# Altium PCB choko_keyboard_right.PcbDoc (part 1 of 2) (continued)
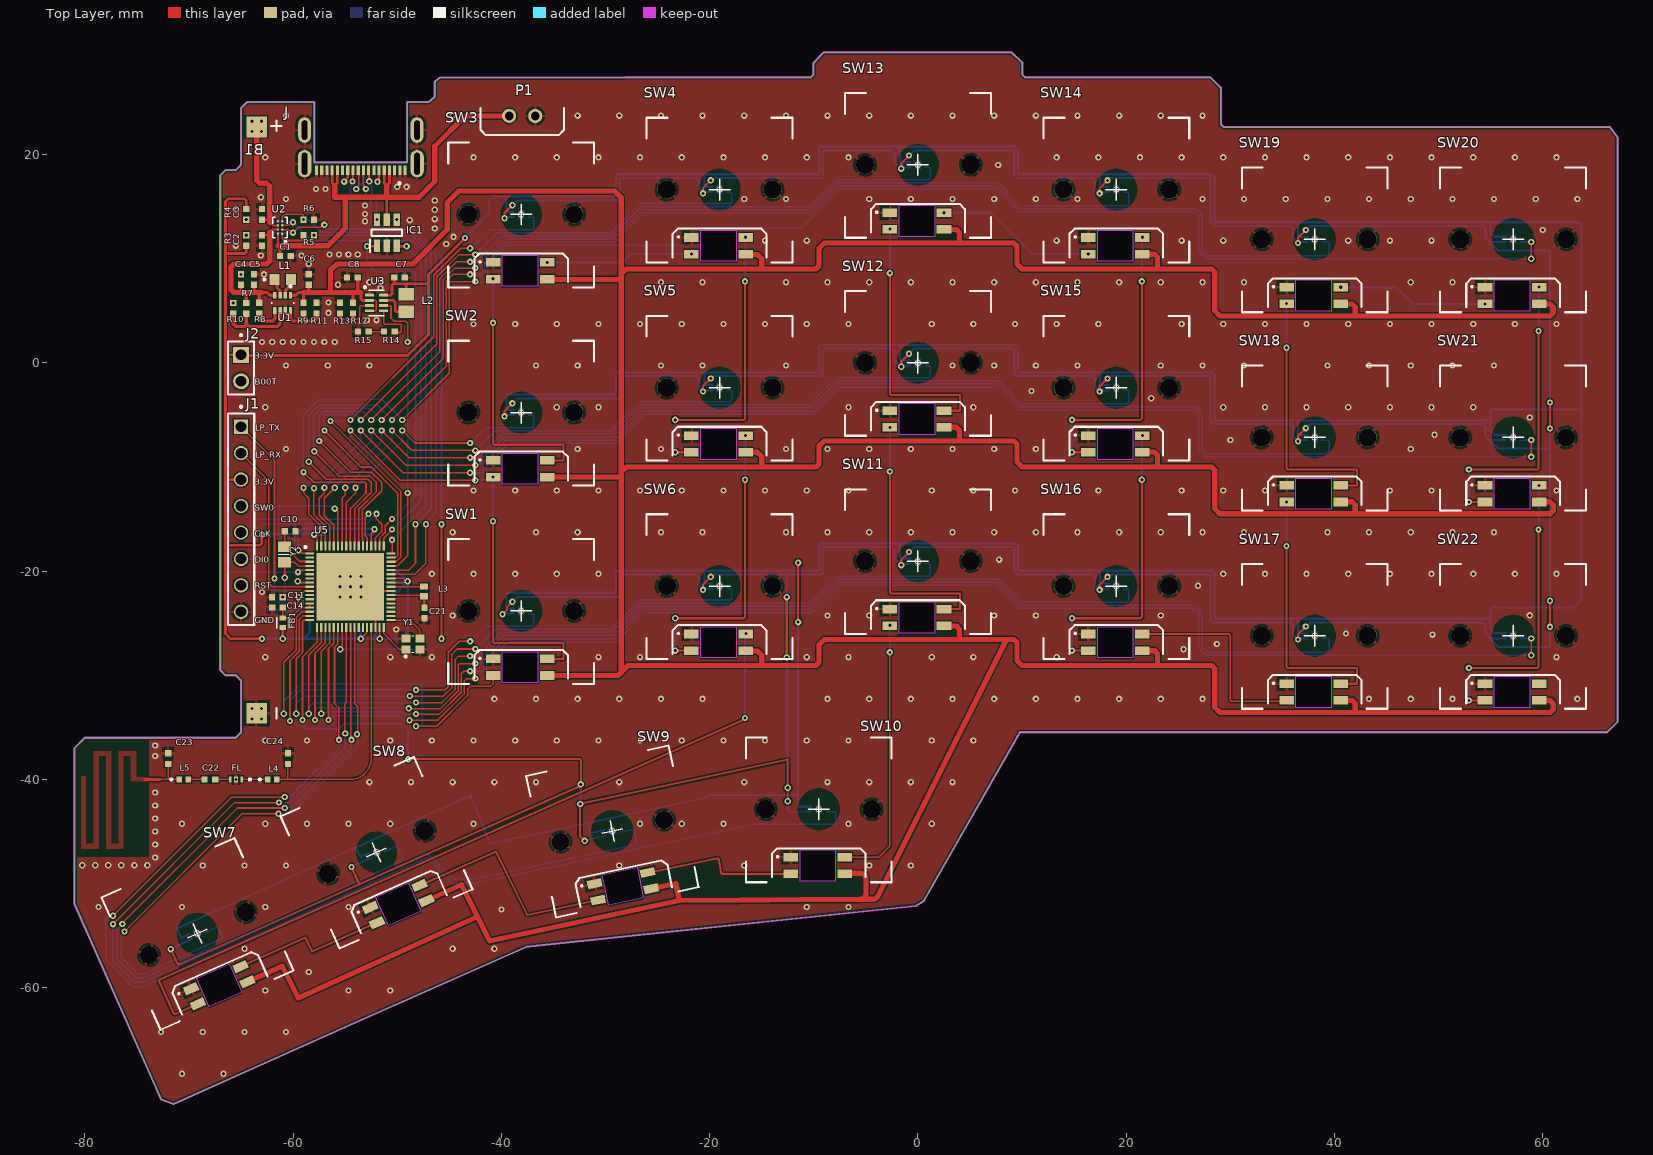
[diagram p0: Top Layer view]
## Part data
B1: "li-ion 14500 battery holder"
C1 C3: library part Cap_1uF_0402, Package="0402 Murata", Check_prices=https://www.snapeda.com/parts/GRM022R60J222KE19L/Murata/view-part/?ref=eda, MF=Murata, MP=GRM022R60J222KE19L, SnapEDA_Link=https://www.snapeda.com/parts/GRM022R60J222KE19L/Murata/view-part/?ref=snap
C2 C7: library part Cap_10uF_0402, Package="0402 Murata", Check_prices=https://www.snapeda.com/parts/GRM022R60J222KE19L/Murata/view-part/?ref=eda, MF=Murata, MP=GRM022R60J222KE19L, SnapEDA_Link=https://www.snapeda.com/parts/GRM022R60J222KE19L/Murata/view-part/?ref=snap
C4 C5 C6: library part Cap_22uF_0402, Package="0402 Murata", BOM_Group="Buck/Boost Converter to 5V", Check_prices=https://www.snapeda.com/parts/GRM022R60J222KE19L/Murata/view-part/?ref=eda, MF=Murata, MP=GRM022R60J222KE19L, SnapEDA_Link=https://www.snapeda.com/parts/GRM022R60J222KE19L/Murata/view-part/?ref=snap
C8 C19 C21: library part Cap_4.7uF_0402, Package="0402 Murata", Check_prices=https://www.snapeda.com/parts/GRM022R60J222KE19L/Murata/view-part/?ref=eda, MF=Murata, MP=GRM022R60J222KE19L, SnapEDA_Link=https://www.snapeda.com/parts/GRM022R60J222KE19L/Murata/view-part/?ref=snap
C9 C12 C13 C14 C15 C16 C17 C20: library part Cap_100nF_0402, Package="0402 Murata", Check_prices=https://www.snapeda.com/parts/GRM022R60J222KE19L/Murata/view-part/?ref=eda, MF=Murata, MP=GRM022R60J222KE19L, SnapEDA_Link=https://www.snapeda.com/parts/GRM022R60J222KE19L/Murata/view-part/?ref=snap
C10 C11: library part Cap_10pF_0402, Package="0402 Murata", Check_prices=https://www.snapeda.com/parts/GRM022R60J222KE19L/Murata/view-part/?ref=eda, MF=Murata, MP=GRM022R60J222KE19L, SnapEDA_Link=https://www.snapeda.com/parts/GRM022R60J222KE19L/Murata/view-part/?ref=snap
C18: library part Cap_100pF_0402, Package="0402 Murata", Check_prices=https://www.snapeda.com/parts/GRM022R60J222KE19L/Murata/view-part/?ref=eda, MF=Murata, MP=GRM022R60J222KE19L, SnapEDA_Link=https://www.snapeda.com/parts/GRM022R60J222KE19L/Murata/view-part/?ref=snap
C22: library part Cap_10nF_0402, Package="0402 Murata", Check_prices=https://www.snapeda.com/parts/GRM022R60J222KE19L/Murata/view-part/?ref=eda, MF=Murata, MP=GRM022R60J222KE19L, SnapEDA_Link=https://www.snapeda.com/parts/GRM022R60J222KE19L/Murata/view-part/?ref=snap
C23: library part Cap_1.2pF_0402, Package="0402 Murata", Check_prices=https://www.snapeda.com/parts/GRM022R60J222KE19L/Murata/view-part/?ref=eda, MF=Murata, MP=GRM022R60J222KE19L, SnapEDA_Link=https://www.snapeda.com/parts/GRM022R60J222KE19L/Murata/view-part/?ref=snap
C24: library part Cap_0.8pF_0402, Package="0402 Murata", Check_prices=https://www.snapeda.com/parts/GRM022R60J222KE19L/Murata/view-part/?ref=eda, MF=Murata, MP=GRM022R60J222KE19L, SnapEDA_Link=https://www.snapeda.com/parts/GRM022R60J222KE19L/Murata/view-part/?ref=snap
D1: library part BAT54KFILM, "BAT54KFILM, Schottky Diode,  0.3A max, 40V 5ns, 2-Pin, SOD-523", Manufacturer_Name=STMicroelectronics, Mouser Part Number=511-BAT54KFILM, Datasheet Link=http://www.st.com/web/en/resource/technical/document/datasheet/CD00001322.pdf, Geometry.Height=0.7mm, Manufacturer_Part_Number=BAT54KFILM, Mouser Price/Stock=https://www.mouser.co.uk/ProductDetail/STMicroelectronics/BAT54KFILM?qs=jZi1jxfVU95Y9ce6l3OT%252BA%3D%3D
FB1: library part MMZ1005S121CTD25, "Ferrite Bead", Package=None, Check_prices=https://www.snapeda.com/parts/FCM1608KF-601T05/Tai+Tech/view-part/?ref=eda, MF="Tai Tech", MP=FCM1608KF-601T05, SnapEDA_Link=https://www.snapeda.com/parts/FCM1608KF-601T05/Tai+Tech/view-part/?ref=snap
FL: "RF Filter Band Pass 2450MHz 2400MHz to 2500MHz 2.8dB 50Ohm SMD 6Pin 0603", Package="0603 Murata Electronics", Availability=Unavailable, MF=Murata, MP=LFB182G45CGFD436, Price=None, SnapEDA_Link=https://www.snapeda.com/parts/LFB182G45CGFD436/Murata/view-part/2721840/?ref=snap
H1 H2 H3 H4 H5 H6 H7 H8 H9 H10 H11 H12 H13 H14 H15 H16 H17 H18 H19 H20 H21 H22: "Low-power linear Hall-effect sensor with enable pin in ultrasmall X2SON package", Package="XFDFN-4 Texas Instruments", Check_prices=https://www.snapeda.com/parts/TMAG5253BA3IQDMRR/Texas+Instruments/view-part/?ref=eda, MF="Texas Instruments", MP=TMAG5253BA3IQDMRR, SnapEDA_Link=https://www.snapeda.com/parts/TMAG5253BA3IQDMRR/Texas+Instruments/view-part/?ref=snap
IC1: "Integrated Circuit", Manufacturer_Name=STMicroelectronics, Mouser Part Number=511-USBLC6-2SC6, Arrow Part Number=USBLC6-2SC6, Arrow Price/Stock=https://www.arrow.com/en/products/usblc6-2sc6/stmicroelectronics?utm_currency=USD&region=europe, Datasheet Link=http://www.st.com/st-web-ui/static/active/en/resource/technical/document/datasheet/CD00050750.pdf, Height=1.45mm, Manufacturer_Part_Number=USBLC6-2SC6, Mouser Price/Stock=https://www.mouser.co.uk/ProductDetail/STMicroelectronics/USBLC6-2SC6?qs=po45yt2pPpu%2FhNIlwQdTlg%3D%3D
J: "USB-C _USB TYPE-C_ USB 3.1 _USB 3.1 Gen 2, Superspeed+_ Receptacle Connector 24 _16+8 Dummy_ Position Board Edge, Cutout; Surface Mount; Through Hole, Right Angle", Package=None, Availability=Unavailable, MF="Hirose Electric Co Ltd", MP=CX90M-16P, Price=None, SnapEDA_Link=https://www.snapeda.com/parts/CX90M-16P/Hirose%20Electric%20Co%20Ltd/view-part/3218310/?ref=snap
J1: "Connector Header Through Hole 8 position 0.100 (2.54mm)", Package=None, Check_prices=https://www.snapeda.com/parts/TSW-108-23-L-S/Samtec/view-part/?ref=eda, MF=Samtec, MP=TSW-108-23-L-S, SnapEDA_Link=https://www.snapeda.com/parts/TSW-108-23-L-S/Samtec/view-part/?ref=snap
J2: "HEADER, 2 CONTACTS, 1 ROW, THROUGH HOLE, 2.54 MM; Connector Systems:Board-to-Board; Pitch Spacing:2.54mm; No. of Rows:1Rows; No. of Contacts:2Contacts; Contact Termination Type:Through Hole; Product Range:HTSW Series; Gender:Header RoHS Compliant: Yes", Package=None, Availability="In Stock", Check_prices=https://www.snapeda.com/parts/HTSW10207TMS/Samtec/view-part/?ref=eda, MF=Samtec, MP=HTSW10207TMS, Price=None, Purchase-URL=https://pricing.snapeda.com/search/part/HTSW10207TMS/?ref=eda, SnapEDA_Link=https://www.snapeda.com/parts/HTSW10207TMS/Samtec/view-part/?ref=snap
L1: library part DFE18SAN1R0MG0L, "DFE18SAN1R0MG0L", Package=None, Availability=Unavailable, BOM_Group="Buck/Boost Converter to 5V", MP=DFE18SAN1R0MG0L, Price=None
L2: library part MLP2012S2R2MT0S1, "2.2 ÂµH Shielded Multilayer Inductor 800 mA 299mOhm Max 0805 (2012 Metric)", Package="2012 TDK", Check_prices=https://www.snapeda.com/parts/MLP2012S2R2MT0S1/TDK/view-part/?ref=eda, MF=TDK, MP=MLP2012S2R2MT0S1, SnapEDA_Link=https://www.snapeda.com/parts/MLP2012S2R2MT0S1/TDK/view-part/?ref=snap
L3: library part LQW15DN100M00D, "Inductor with Inductance: 10uH Tol. +/-20%, Package: 0402 (1005)", Package="1106 Murata", Availability=Good, Check_prices=https://www.snapeda.com/parts/LQW15DN100M00D/Murata%20Electronics%20North%20America/view-part/3223358/?ref=eda, MF="Murata Electronics North America", MP=LQW15DN100M00D, Price=None, Purchase-URL=https://pricing.snapeda.com/search/part/LQW15DN100M00D/?ref=eda, SnapEDA_Link=https://www.snapeda.com/parts/LQW15DN100M00D/Murata%20Electronics%20North%20America/view-part/3223358/?ref=snap
L4 L5: library part LQG15HS3N6S02D, "Inductor with Inductance: 3.6nH Tol. +/-0.3nH, Package: 0402 _1005_", Package="1005 Murata", Availability=Unavailable, MF=Murata, MP=LQG15HS3N6S02D, Price=None, SnapEDA_Link=https://www.snapeda.com/parts/LQG15HS3N6S02D/Murata%20Electronics%20North%20America/view-part/1501786/?ref=snap
R1 R2 R3 R4: library part Res_5.1kR_0402, Package=0402, Resistans=1kR
R5 R6: library part Res_10kR_0402, Package=0402, Resistans=1kR
R7 R8 R10 R12 R13: library part Res_100kR_0402_1, Package=0402, Resistans=1kR, BOM_Group="Buck/Boost Converter to 5V"
R9: library part Res_806kR_0402_1, Package=0402, Resistans=1kR, BOM_Group="Buck/Boost Converter to 5V"
R11: library part Res_91kR_0402, Package=0402, Resistans=1kR, BOM_Group="Buck/Boost Converter to 5V"
R14: library part Res_240kR_0402, Package=0402, Resistans=1kR
R15: library part Res_27kR_0402, Package=0402, Resistans=1kR
R16 R17: library part Res_1kR_0402, Package=0402, Resistans=1kR
SW1 SW2 SW3 SW4 SW5 SW6 SW7 SW8 SW9 SW10 SW11 SW12 SW13 SW14 SW15 SW16 SW17 SW18 SW19 SW20 SW21 SW22: "Gateron Magnetic Jade Switch"
U1: "1.5-A output current, high-power-density buck-boost converter", Package="SOT-583 Texas Instruments", BOM_Group="Buck/Boost Converter to 5V", Check_prices=https://www.snapeda.com/parts/TPS631000DRLR/Texas+Instruments/view-part/?ref=eda, MF="Texas Instruments", MP=TPS631000DRLR, SnapEDA_Link=https://www.snapeda.com/parts/TPS631000DRLR/Texas+Instruments/view-part/?ref=snap
U2: "Battery Managment IC"
U3: "None <a href=\"https://snapeda.com/parts/TPS62840DLCR/Texas%20Instruments/view-part/?ref=eda\">Check prices</a>", Package=None, Availability=Unavailable, BOM_Group="Buck Converter to 3.3V", MP=TPS62840DLCR, Price=None
Y1: library part NX2016SA-32MHZ, "Crystal or Oscillator", Manufacturer_Name=NDK, Manufacturer_Part_Number=NX2016SA-26MHZ-EXS00A-CS06025, Mouser Part Number=344-NX2016SA26S06025, Datasheet Link=https://datasheet.datasheetarchive.com/originals/distributors/Datasheets_SAMA/8da4d094c01ffba0c34ffc4b8a2d69e9.pdf, Mouser Price/Stock=https://www.mouser.co.uk/ProductDetail/NDK/NX2016SA-26MHZ-EXS00A-CS06025?qs=w%2Fv1CP2dgqrdkfe8%2Fku9TQ%3D%3D
Y2: library part NX2012SA-32.768K, "Crystal or Oscillator", Manufacturer_Name=NDK, Manufacturer_Part_Number=NX2012SA-32.768K-STD-MUB-1, Mouser Part Number=344-NX2012SA32768K1, Datasheet Link=https://www.mouser.de/datasheet/2/905/c_NX2012SA-STD-MUB-1_e-1317508.pdf, Height=0.6mm, Mouser Price/Stock=https://www.mouser.co.uk/ProductDetail/NDK/NX2012SA-32.768K-STD-MUB-1?qs=55YtniHzbhA%252B6%2Fl1MwFZaQ%3D%3D

## Via types
v1: diameter 0.6, hole 0.3, Top Layer to Bottom Layer, tented both sides, 615 vias

## Nets (pads, with @x,y where several pads share a name; then routed paths per layer and width w, separated by ;. In a path a pad name is that pad's centre, name@x,y a point inside that pad or via, vN(x,y) a via of type N, cw(c..) or ccw(c..) an arc to the next point about the centre after c; other vN are vias at no path point)
3.3V: C7.2 C12.2 C13.2 C15.2 C16.2 C17.2 C18.2 C19.2 C20.2 FB1.1 H1.1 H2.1 H3.1 H4.1 H5.1 H6.1 H7.1 H8.1 H9.1 H10.1 H11.1 H12.1 H13.1 H14.1 H15.1 H16.1 H17.1 H18.1 H19.1 H20.1 H21.1 H22.1 J1.03 J2.01 L2.2 R3.2 R4.2 R16.2 U3.8 U5.1 U5.30 U5.33 U5.44 U5.45 U5.55 U5.68 | length 677.2
  Top Layer w0.15: v1(-59.5,-18) -59.2,-18.3 U5.1@-58.4,-18.3 ; v1(-58,-16.5) -57.7,-16.8 U5.68@-57.7,-17.6 ; v1(-53.5,-26.5) -52.925,-25.925 -52.925,-25.425 U5.30@-52.9,-25.4 ; U5.55@-52.5,-17.6 -52.5,-16.385 v1@-52.215,-16.101 ; U5.33@-51.7,-25.4 -51.7,-26.476 v1(-51.676,-26.5) ; U5.44@-50.6,-21.1 -49.404,-21.1 -49.365,-21.061 -49.086,-21.061 v1@-49.013,-20.987 ; U5.45@-50.6,-20.7 -49.397,-20.7 -49.122,-20.975 v1(-49,-20.975)
  Top Layer w0.2: v1(-11.5,-24.9) v1(-11.5,-19.2)
  Top Layer w0.254: -66.378,-11.2 J1.03@-65,-11.2 ; J2.01@-65.1,0.7 -49,0.7 -47,2.7 -47,7.6 ; J2.01@-65,0.77 -66.5,0.77 ; R3.2@-64.5,11.238 -64.5,10.649 -64.649,10.5 -66.5,10.5 ; R4.2@-64.5,15 -64.5,15.601 -64.649,15.75 -66.25,15.75 -66.5,15.5 -66.5,10.5 ; v1(-63,-26.5) -66,-26.5 -66.5,-26 -66.5,-17.5 ; v1(-63,-16.5) -63,-17.351 -63.149,-17.5 -66.5,-17.5 ; v1(-61,-26.5) FB1.1@-61,-25.41 ; U3.8@-51.315,6.5 -50.649,6.5 -50.5,6.649 -50.5,7.451 -50.351,7.6 -50.3,7.6 ; C7.2@-50.3,8.2 -50.3,7.6 ; L2.2@-49.15,6.61 -49.15,7.451 -49.299,7.6 ; v1(-43.5,12) -47,8.5 -47,7.6 ; -66.5,-17.5 -66.5,0.77 ; -66.5,0.77 -66.5,10.5 ; -50.3,7.6 -49.299,7.6 ; -49.299,7.6 -47,7.6
  Bottom Layer w0.2: H4.1@-69.941,-54.856 -70.75,-55.25 -70.953,-54.793 -71.157,-54.336 -53.957,-46.536 ; H5.1@-52.741,-47.056 -53.55,-47.45 -53.753,-46.993 -53.957,-46.536 ; v1(-43.5,12) -41.2,14.3 -41.2,15.55 -40.75,16 -39.383,16 ; -41.027,-46.143 -42.975,-41.556 -53.957,-46.536 ; -41.019,-46.161 -31.668,-44.174 -20.276,-41.753 -20.236,-41.716 -20.057,-41.552 -20,-41.5 -11.617,-41.5 -11.5,-41.617 ; H3.1@-38.8,-23.576 -39.383,-23.576 -39.5,-23.459 -39.5,-22.192 -39.383,-22.075 -29.117,-22.075 -29,-21.958 -29,-20.08 -28.883,-19.963 -20.417,-19.963 ; H2.1@-38.8,-4.526 -39.383,-4.526 -39.5,-4.409 -39.5,-3.142 -39.383,-3.025 -29.117,-3.025 -29,-2.908 -29,-1.03 -28.883,-0.913 -20.5,-0.913 -20.417,-0.913 ; H1.1@-38.8,14.499 -39.383,14.499 -39.5,14.616 -39.5,15.883 -39.383,16 ; -31.664,-44.193 -31.564,-44.663 -31.46,-45.152 H6.1@-30.091,-44.861 ; H10.1@-19.75,-21.188 -20.383,-21.188 -20.5,-21.071 -20.5,-20.046 -20.417,-19.963 ; H9.1@-19.75,-2.138 -20.383,-2.138 -20.5,-2.021 -20.5,-0.996 -20.417,-0.913 ; H8.1@-19.75,16.887 -20.383,16.887 -20.5,17.004 -20.5,18.029 -20.417,18.112 ; v1(-11.5,-24.9) -11.5,-41.617 ; v1(-11.5,-19.2) -11.5,-19.963 ; H7.1@-10.225,-42.625 -11.346,-42.625 -11.5,-42.471 -11.5,-41.617 ; H13.1@-0.7,-18.813 -1.633,-18.813 -1.75,-18.696 -1.75,-17.325 ; H12.1@-0.7,0.237 -1.633,0.237 -1.75,0.354 -1.75,1.725 ; H11.1@-0.7,19.262 -1.633,19.262 -1.75,19.379 -1.75,20.75 ; H16.1@18.35,-21.188 17.617,-21.188 17.5,-21.071 17.5,-19.963 ; H15.1@18.35,-2.138 17.617,-2.138 17.5,-2.021 17.5,-0.913 ; H14.1@18.35,16.887 17.617,16.887 17.5,17.004 17.5,18.112 ; H19.1@37.4,-25.963 37.39,-25.973 36.617,-25.973 36.5,-25.856 36.5,-24.692 36.617,-24.575 ; H18.1@37.4,-6.913 37.39,-6.923 36.617,-6.923 36.5,-6.806 36.5,-5.642 36.617,-5.525 ; H17.1@37.4,12.112 37.39,12.102 36.617,12.102 36.5,12.219 36.5,13.383 36.617,13.5 ; 55,-24.575 54.958,-24.575 ; 55,-24.5 55,-23.617 55.117,-23.5 63,-23.5 63.7,-22.8 63.7,-4.5 ; 55,-5.5 55,-4.617 55.117,-4.5 63.7,-4.5 ; H22.1@56.45,-25.963 55.329,-25.963 55,-25.634 55,-24.617 54.958,-24.575 ; H21.1@56.45,-6.913 55.329,-6.913 55,-6.584 55,-5.525 36.617,-5.525 ; H20.1@56.45,12.112 55.329,12.112 55,12.441 55,13.383 54.883,13.5 ; -39.383,16 -29.117,16 -29,16.117 -29,17.995 -28.883,18.112 -20.5,18.112 -20.417,18.112 ; -20.417,-19.963 -11.5,-19.963 ; -20.417,-0.913 -9.617,-0.913 -9.5,-0.796 -9.5,1.608 -9.383,1.725 -1.75,1.725 ; -20.417,18.112 -9.617,18.112 -9.5,18.229 -9.5,20.633 -9.383,20.75 -1.75,20.75 ; -11.5,-19.963 -9.617,-19.963 -9.5,-19.846 -9.5,-17.442 -9.383,-17.325 -1.75,-17.325 ; -1.75,-17.325 9.383,-17.325 9.6,-17.542 9.6,-19.846 9.717,-19.963 17.5,-19.963 ; -1.75,1.725 9.383,1.725 9.6,1.508 9.6,-0.796 9.717,-0.913 17.5,-0.913 ; -1.75,20.75 9.383,20.75 9.6,20.533 9.6,18.229 9.717,18.112 17.5,18.112 ; 17.5,-19.963 28.271,-19.963 28.5,-20.192 28.5,-24.458 28.617,-24.575 36.617,-24.575 ; 17.5,-0.913 28.271,-0.913 28.5,-1.142 28.5,-5.408 28.617,-5.525 36.617,-5.525 ; 17.5,18.112 28.271,18.112 28.5,17.883 28.5,13.617 28.617,13.5 36.617,13.5 ; 36.617,-24.575 54.958,-24.575 ; 36.617,13.5 54.883,13.5 ; 54.883,13.5 63.583,13.5 63.7,13.383 63.7,-4.5
  Bottom Layer w0.254: J2.01@-65.1,0.8 J2.01@-65,0.7 ; v1(-63,-26.5) v1(-61,-26.5) -59,-26.5 ; -62.678,-16.423 -59.573,-16.423 -59.5,-16.496 -59.5,-17 ; C12.2@-59.988,-17 -59.5,-17 ; v1(-59.5,-18) -59.5,-17 ; R16.2@-58.4,-24.812 -58.4,-25.9 -59,-26.5 ; C17.2@-57.012,-16.5 v1(-58,-16.5) -58.066,-16.434 -58.311,-16.434 -58.318,-16.426 -59.499,-16.426 -59.499,-16.072 -59.351,-15.923 -52.243,-15.923 v1(-52.191,-15.975) ; C15.2@-53.5,-25.512 v1(-53.5,-26.5) ; C13.2@-53.238,-16.5 -52.418,-16.5 -52.257,-16.339 -52.257,-16.048 v1@-52.215,-16.007 ; C18.2@-52,-25.512 -52,-26.5 ; C20.2@-50.488,-22 -50.444,-21.956 -49.956,-21.956 v1@-49,-21 ; C19.2@-50.488,-21 v1@-49,-21 ; C16.2@-50.488,-20 -50.444,-20.044 -49.956,-20.044 -49.025,-20.975 v1(-49,-20.975) ; -59,-26.5 v1(-53.5,-26.5) ; v1(-53.5,-26.5) -52,-26.5 ; -52,-26.5 v1(-51.676,-26.5) -49.5,-26.5 -49,-26 v1@-49,-21
5V: C6.1 C8.1 R9.1 R12.1 SW1.3 SW2.3 SW3.3 SW4.3 SW5.3 SW6.3 SW7.3 SW8.3 SW9.3 SW10.3 SW11.3 SW12.3 SW13.3 SW14.3 SW15.3 SW16.3 SW17.3 SW18.3 SW19.3 SW20.3 SW21.3 SW22.3 U1.1 U3.2 U3.4 | length 557.9
  Top Layer w0.15: U3.2@-52.7,6 U3.2@-52.685,6 -52.088,6 -52,5.912 -52,5.1 -52.1,5 U3.4@-52.685,5
  Top Layer w0.3: U1.1@-60.25,6.485 -59.765,6.485 -59.5,6.75 -59,6.75 R9.1@-59,5.774 ; -58.5,6.75 C6.1@-58.5,7.488 ; R12.1@-54.25,5.762 -54.25,6.75 ; -53.8,6.8 C8.1@-53.8,8.2 ; -53.5,6.75 -53.5,6.176 -53.324,6 U3.2@-52.7,6
  Top Layer w0.5: SW7.3@-64.395,-59.447 -61.035,-57.924 -59.5,-61 -42.3,-53.2 ; -59,6.75 -58.5,6.75 -56.4,6.75 ; -53.5,6.75 -54.25,6.75 -56.4,6.75 ; SW8.3@-47.195,-51.647 -43.835,-50.124 -42.3,-53.2 ; SW1.3@-35.6,-30.025 -28.793,-30.025 -28.5,-29.732 ; SW2.3@-35.6,-10.951 -28.5,-10.951 ; SW3.3@-35.6,8.049 -35.551,8 -28.5,8 ; SW9.3@-25.62,-50.505 -23.258,-50.003 -22.911,-51.634 ; SW6.3@-16.55,-27.638 -16.521,-27.667 -15.408,-27.667 -15,-28.075 -15,-29.075 ; SW5.3@-16.55,-8.563 -16.521,-8.592 -15.408,-8.592 -15,-9 -15,-10 ; SW4.3@-16.55,10.437 -16.521,10.408 -15.408,10.408 -15,10 -15,9 ; SW10.3@-7.025,-49.075 -6.575,-49.019 -5.5,-49.019 cw(c-5.5,-49.519) -5,-49.519 -5,-51.004 cw(c-5.5,-51.004) -5.495,-51.504 ; -4.308,-51.501 -5.496,-51.504 -22.911,-51.634 ; -4.307,-51.501 ccw(c-4.309,-51.001) -3.862,-51.225 8.5,-26.575 ; SW11.3@2.5,-25.263 3.688,-25.263 4,-25.575 4,-26.575 ; SW12.3@2.5,-6.188 3.688,-6.188 4,-6.5 4,-7.5 ; SW13.3@2.5,12.812 3.688,12.812 4,12.5 4,11.5 ; SW16.3@21.55,-27.638 22.707,-27.638 23,-27.931 23,-29.075 ; SW15.3@21.55,-8.563 22.707,-8.563 23,-8.856 23,-10 ; SW14.3@21.55,10.437 22.707,10.437 23,10.144 23,9 ; SW17.3@40.6,-32.413 41.707,-32.413 42,-32.706 42,-33.575 ; SW18.3@40.6,-13.338 41.707,-13.338 42,-13.631 42,-14.5 ; SW19.3@40.6,5.662 41.707,5.662 42,5.369 42,4.5 ; SW22.3@59.65,-32.413 60.707,-32.413 61,-32.706 61,-33.282 60.707,-33.575 42,-33.575 ; SW21.3@59.65,-13.338 60.707,-13.338 61,-13.631 61,-14.207 60.707,-14.5 42,-14.5 ; SW20.3@59.65,5.662 60.707,5.662 61,5.369 61,4.793 60.707,4.5 42,4.5 ; -56.4,6.75 -56.4,8.9 -55.8,9.5 -48.5,9.5 -45.2,12.8 -45.2,15.4 -44.1,16.5 -29.125,16.5 -28.5,15.875 -28.5,8.5 ; -42.3,-53.2 -41.148,-55.51 -22.911,-51.634 ; -28.5,-29.732 -28.5,-10.951 ; -28.5,-29.732 -27.843,-29.075 -15,-29.075 ; -28.5,-10.951 -28.5,-10.5 ; -28.5,-10.5 -28.5,8 ; -28.5,-10.5 -28,-10 -15,-10 ; -28.5,8 -28.5,8.5 ; -28.5,8.5 -28,9 -15,9 ; -15,-29.075 -9.793,-29.075 -9.5,-28.782 -9.5,-27.075 -9,-26.575 4,-26.575 ; -15,-10 -9.793,-10 -9.5,-9.707 -9.5,-8 -9,-7.5 4,-7.5 ; -15,9 -9.793,9 -9.5,9.293 -9.5,11 -9,11.5 4,11.5 ; 4,-26.575 8.5,-26.575 ; 4,-7.5 9.207,-7.5 9.5,-7.793 9.5,-9.5 10,-10 23,-10 ; 4,11.5 9.207,11.5 9.5,11.207 9.5,9.5 10,9 23,9 ; 8.5,-26.575 9.207,-26.575 9.5,-26.868 9.5,-28.575 10,-29.075 23,-29.075 ; 23,-29.075 28.207,-29.075 28.5,-29.368 28.5,-33.075 29,-33.575 42,-33.575 ; 23,-10 28.207,-10 28.5,-10.293 28.5,-14 29,-14.5 42,-14.5 ; 23,9 28.207,9 28.5,8.707 28.5,5 29,4.5 42,4.5
5V_USB: C1.2 IC1.5 J.A4 J.A9 J.B4 J.B9 P1.1 U2.A2 | length 45
  Top Layer w0.15: -61.45,11.25 U2.A2@-61.45,12.4
  Top Layer w0.254: C1.2@-61.262,10.25 -61.262,11.138 -61.2,11.2 ; J.A9@-56.25,18.5 -56.25,17.25 -56,17 -55.75,17.25 J.B4@-55.75,18.5 ; J.B9@-51.25,18.5 -51.25,17.25 -51,17 -50.75,17.25 J.A4@-50.75,18.5 ; IC1.5@-51,13.75 -51,15.9
  Top Layer w0.5: -61.45,11.25 -56.65,11.25 -55,12.9 -55,15.9 ; -56,17 -56,15.9 -55,15.9 ; -51,17 -51,15.9 ; P1.1@-39.25,23.717 -43.483,23.717 -46.4,20.8 -46.4,17.4 -47.9,15.9 -51,15.9 ; -55,15.9 -51,15.9
ANT: C23.1 L5.2 | length 5
  Top Layer w0.15: -73,-40 L5.2@-70.932,-40 ; -72,-40 C23.1@-72,-38.512
  Top Layer w0.3: -74.25,-40 -72.8,-40
ARGB: SW1.2 U5.15 | length 41.3
  Top Layer w0.15: v1(-60.9,-33.7) -60.9,-28.763 -59.7,-27.563 -59.7,-24.45 -59.15,-23.9 U5.15@-58.4,-23.9 ; v1(-48.2,-34.9) -46.2,-34.9 -43.25,-31.95 -43.25,-31.347 -42.978,-31.074 -41.074,-31.074 -40.8,-30.8 SW1.2@-40.8,-30.025
  Bottom Layer w0.15: v1(-60.9,-33.7) -60.9,-32.5 -59.2,-30.8 -47.688,-30.8 -47.6,-30.888 -47.6,-34.812 -47.688,-34.9 v1(-48.2,-34.9)
BAT_INT: R5.2 U5.47 | length 45
  Top Layer w0.15: U5.47@-50.6,-19.9 -48.9,-19.9 -48.25,-19.25 v1(-48.25,-15.5)
  Bottom Layer w0.15: v1@-58.135,12.25 v1(-58,12.25) -48.626,12.25 -46.75,10.374 -46.75,-14 v1(-48.25,-15.5)
BAT_MR: R6.1 U2.D1 U5.46 | length 50.7
  Top Layer w0.15: U2.D1@-61.05,13.625 -61.05,14.025 -60.825,14.25 -59.1,14.25 -59.012,14.162 R6.1@-59.012,13.75 ; U5.46@-50.6,-20.3 -48.3,-20.3 -47.25,-19.25 v1(-47.25,-15.5)
  Bottom Layer w0.15: v1(-59,13.75) -58.5,13.75 -57.3,12.55 -48.501,12.55 -46.25,10.299 -46.25,-14.378 v1@-47.203,-15.331
BOOT: J2.02 R17.2 U5.5 | length 27.9
  Top Layer w0.15: v1(-59.538,-20.099) -59.416,-20.099 -59.217,-19.9 U5.5@-58.4,-19.9 U5.5@-58.425,-19.925
  Bottom Layer w0.15: J2.02@-65,-1.77 -66.412,-1.77 -66.5,-1.858 -66.5,-20.011 -66.412,-20.099 -62.993,-20.099 v1(-59.538,-20.099)
CC1: J.A5 R1.1 | length 1.2
  Top Layer w0.2: v1@-52,17.446 -51.75,17.696 J.A5@-51.75,18.5
  Bottom Layer w0.254: R1.1@-52,17.5 R1.1@-51.994,17.506 ; R1.1@-51.938,17.35 v1(-51.9,17.388)
CC2: J.B5 R2.1 | length 1.1
  Top Layer w0.2: v1@-55,17.549 -54.75,17.799 J.B5@-54.75,18.5
  Bottom Layer w0.254: R2.1@-55.006,17.506 R2.1@-55,17.5
  other v1: -55.1,17.4
GND: B1.2 C1.1 C2.1 C3.1 C4.2 C5.2 C6.2 C7.1 C8.2 C9.2 C10.1 C11.1 C12.1 C13.1 C14.1 C15.1 C16.1 C17.1 C18.1 C19.1 C20.1 C21.1 C23.2 C24.1 FL.2 FL.2_1 H1.2 H2.2 H3.2 H4.2 H5.2 H6.2 H7.2 H8.2 H9.2 H10.2 H11.2 H12.2 H13.2 H14.2 H15.2 H16.2 H17.2 H18.2 H19.2 H20.2 H21.2 H22.2 IC1.2 J1.08 J.A1 J.A12 J.B1 J.B12 J.MID1 J.MID2 J.S1 J.S2 J.S3 J.S4 P1.2 R1.2 R2.2 R6.2 R10.1 R11.1 R13.1 R15.1 R17.1 SW1.1 SW1.5 SW2.1 SW2.5 SW3.1 SW3.5 SW4.1 SW4.5 SW5.1 SW5.5 SW6.1 SW6.5 SW7.1 SW7.5 SW8.1 SW8.5 SW9.1 SW9.5 SW10.1 SW10.5 SW11.1 SW11.5 SW12.1 SW12.5 SW13.1 SW13.5 SW14.1 SW14.5 SW15.1 SW15.5 SW16.1 SW16.5 SW17.1 SW17.5 SW18.1 SW18.5 SW19.1 SW19.5 SW20.1 SW20.5 SW21.1 SW21.5 SW22.1 SW22.5 U1.7 U2.D2 U3.1 U5.32 U5.42 U5.69 Y1.2 | length 5.9
  Top Layer w0.15: Y1.2@-49.225,-26.475 Y1.2@-49.175,-26.475
  Top Layer w0.2: U5.69@-54.1,-21.9 U5.42@-50.6,-21.9 ; U5.32@-52.1,-25.4 U5.69@-52.1,-23.9
  Bottom Layer w0.254: v1(-63,-22) -63,-21.136 R17.1@-62.993,-21.129
  other v1: -70.679,-68.264 -66.679,-68.264 -72.679,-64.264 -68.679,-64.264 -64.679,-64.264 -60.679,-64.264 -62.679,-60.264 -54.679,-60.264 -50.679,-60.264 -58.5,-58.5 -64.679,-56.264 -44.679,-56.264 -40.679,-56.264 -40,-52.5 -78.679,-52.264 -70.679,-52.264 -62.679,-52.264 -54.679,-52.264 -10.679,-52.264 -6.679,-52.264 -80.25,-48.25 -79,-48.25 -77.75,-48.25 -76.5,-48.25 -75.25,-48.25 -74,-48.25 -68.679,-48.264 -64.679,-48.264 -60.679,-48.264 -28.679,-48.264 -16.679,-48.264 -4.679,-48.264 -0.679,-48.264 -73.25,-47.5 -73.25,-46.25 -73.25,-45 -70.679,-44.264 -62.679,-44.264 -58.679,-44.264 -54.679,-44.264 -50.679,-44.264 -42.679,-44.264 -26.679,-44.264 -22.679,-44.264 -18.679,-44.264 -6.679,-44.264 1.321,-44.264 -73.25,-43.75 -73.25,-42.5 -73.25,-41.25 -52.679,-40.264 -48.679,-40.264 -44.679,-40.264 -40.679,-40.264 -36.679,-40.264 -28.679,-40.264 -16.679,-40.264 -8.679,-40.264 -4.679,-40.264 -0.679,-40.264 3.321,-40.264 -73.25,-37.75 -73.25,-36.75 -62.679,-36.264 -58.679,-36.264 -50.679,-36.264 -46.679,-36.264 -42.679,-36.264 -38.679,-36.264 -34.679,-36.264 -30.679,-36.264 -26.679,-36.264 -22.679,-36.264 -18.679,-36.264 -14.679,-36.264 -10.679,-36.264 -6.679,-36.264 1.321,-36.264 5.321,-36.264 -63.95,-34.2 -63.05,-34.2 -63.95,-33.2 -63.05,-33.2 -40.679,-32.264 -36.679,-32.264 -32.679,-32.264 -28.679,-32.264 -24.679,-32.264 -20.679,-32.264 -8.679,-32.264 -4.679,-32.264 -0.679,-32.264 3.321,-32.264 7.321,-32.264 11.321,-32.264 15.321,-32.264 19.321,-32.264 23.321,-32.264 27.321,-32.264 43.321,-32.264 47.321,-32.264 51.321,-32.264 63.321,-32.264 -62.679,-28.264 -50.679,-28.264 -46.679,-28.264 -30.679,-28.264 -26.679,-28.264 -10.679,-28.264 -6.679,-28.264 1.321,-28.264 5.321,-28.264 13.321,-28.264 61.321,-28.264 25.5,-27.5 28.7,-27 49.4,-26.1 41.1,-26 -50.1,-25.6 -44.679,-24.264 -8.679,-24.264 -4.679,-24.264 7.321,-24.264 11.321,-24.264 23.321,-24.264 58.75,-24.25 -55.5,-22.5 -54.5,-22.5 -53.5,-22.5 -55.5,-21.5 -54.5,-21.5 -53.5,-21.5 26.9,-21.4 -55.5,-20.5 -54.5,-20.5 -53.5,-20.5 -46.679,-20.264 -42.679,-20.264 -38.679,-20.264 -34.679,-20.264 -30.679,-20.264 29.321,-20.264 33.321,-20.264 37.321,-20.264 41.321,-20.264 45.321,-20.264 49.321,-20.264 53.321,-20.264 57.321,-20.264 61.321,-20.264 7.8,-18.9 -44.679,-16.264 -36.679,-16.264 -32.679,-16.264 -24.679,-16.264 -20.679,-16.264 -12.679,-16.264 -8.679,-16.264 -4.679,-16.264 -0.679,-16.264 3.321,-16.264 7.321,-16.264 11.321,-16.264 15.321,-16.264 19.321,-16.264 23.321,-16.264 27.321,-16.264 31.321,-16.264 39.321,-16.264 43.321,-16.264 47.321,-16.264 51.321,-16.264 55.321,-16.264 -42.679,-12.264 -38.679,-12.264 -34.679,-12.264 -30.679,-12.264 -26.679,-12.264 -22.679,-12.264 -18.679,-12.264 -14.679,-12.264 -10.679,-12.264 -6.679,-12.264 1.321,-12.264 5.321,-12.264 9.321,-12.264 13.321,-12.264 17.321,-12.264 25.321,-12.264 29.321,-12.264 33.321,-12.264 45.321,-12.264 49.321,-12.264 61.321,-12.264 -60.679,-8.264 -32.679,-8.264 -24.679,-8.264 -12.679,-8.264 -8.679,-8.264 -4.679,-8.264 -0.679,-8.264 3.321,-8.264 7.321,-8.264 11.321,-8.264 47.321,-8.264 30,-7.4 49.6,-6.9 58.75,-5.25 -62.679,-4.264 -34.679,-4.264 -30.679,-4.264 -6.679,-4.264 5.321,-4.264 29.321,-4.264 33.321,-4.264 37.321,-4.264 41.321,-4.264 45.321,-4.264 49.321,-4.264 53.321,-4.264 22.4,-3.4 10.9,-2.7 -60.679,-0.264 -56.679,-0.264 -52.679,-0.264 -36.679,-0.264 -32.679,-0.264 -24.679,-0.264 -20.679,-0.264 -12.679,-0.264 3.321,-0.264 7.321,-0.264 11.321,-0.264 15.321,-0.264 23.321,-0.264 27.321,-0.264 31.321,-0.264 39.321,-0.264 43.321,-0.264 47.321,-0.264 51.321,-0.264 55.321,-0.264 -63,2 -62,2 -61,2 -60,2 -59,2 -58,2 -57,2 -56,2 -42.679,3.736 -38.679,3.736 -34.679,3.736 -30.679,3.736 -26.679,3.736 -22.679,3.736 -18.679,3.736 -14.679,3.736 -10.679,3.736 -6.679,3.736 1.321,3.736 5.321,3.736 9.321,3.736 13.321,3.736 17.321,3.736 25.321,3.736 29.321,3.736 33.321,3.736 37.321,3.736 41.321,3.736 45.321,3.736 49.321,3.736 53.321,3.736 57.321,3.736 61.321,3.736 -52.9,4.1 -52,4.1 -56.6,4.8 -65.75,5.75 -56.6,5.8 -51.6,7.2 -55.7,7.5 -52.679,7.736 -24.679,7.736 -20.679,7.736 -12.679,7.736 -8.679,7.736 -4.679,7.736 -0.679,7.736 3.321,7.736 7.321,7.736 11.321,7.736 15.321,7.736 19.321,7.736 23.321,7.736 27.321,7.736 31.321,7.736 47.321,7.736 51.321,7.736 -51.6,8 -65,8.5 -62.8,8.5 -58.5,9.5 -63.1,10.3 -59.2,10.3 -56.5,10.4 -55.6,10.4 -54.7,10.4 -53.8,10.4 -65.5,11.25 -45.3,11.4 -14.679,11.736 -10.679,11.736 13.321,11.736 25.321,11.736 29.321,11.736 41.321,11.736 45.321,11.736 49.321,11.736 -44.6,12.1 60,12.75 -46.4,12.9 -53.1,13.6 -48.8,13.7 -46.4,13.8 -53.1,14.3 -46.4,14.7 -65.5,14.75 -53.1,15.1 -46.4,15.6 -60.679,15.736 -16.679,15.736 -12.679,15.736 -4.679,15.736 -0.679,15.736 3.321,15.736 7.321,15.736 11.321,15.736 15.321,15.736 27.321,15.736 31.321,15.736 35.321,15.736 39.321,15.736 43.321,15.736 47.321,15.736 51.321,15.736 55.321,15.736 59.321,15.736 63.321,15.736 -63.1,15.9 -57.8,16.7 -56.9,16.7 -50,16.9 -49.1,16.9 7.7,19 -62.679,19.736 -42.679,19.736 -38.679,19.736 -34.679,19.736 -30.679,19.736 -26.679,19.736 -22.679,19.736 -18.679,19.736 -14.679,19.736 -10.679,19.736 -6.679,19.736 13.321,19.736 17.321,19.736 21.321,19.736 25.321,19.736 29.321,19.736 33.321,19.736 37.321,19.736 41.321,19.736 45.321,19.736 49.321,19.736 53.321,19.736 57.321,19.736 61.321,19.736 -60.679,23.736 -44.679,23.736 -32.679,23.736 -28.679,23.736 -24.679,23.736 -20.679,23.736 -16.679,23.736 -12.679,23.736 -8.679,23.736 -4.679,23.736 -0.679,23.736 3.321,23.736 7.321,23.736 11.321,23.736 15.321,23.736 19.321,23.736 23.321,23.736 27.321,23.736